# KiCad board hw-openmower-yardforce.kicad_pcb (continued)
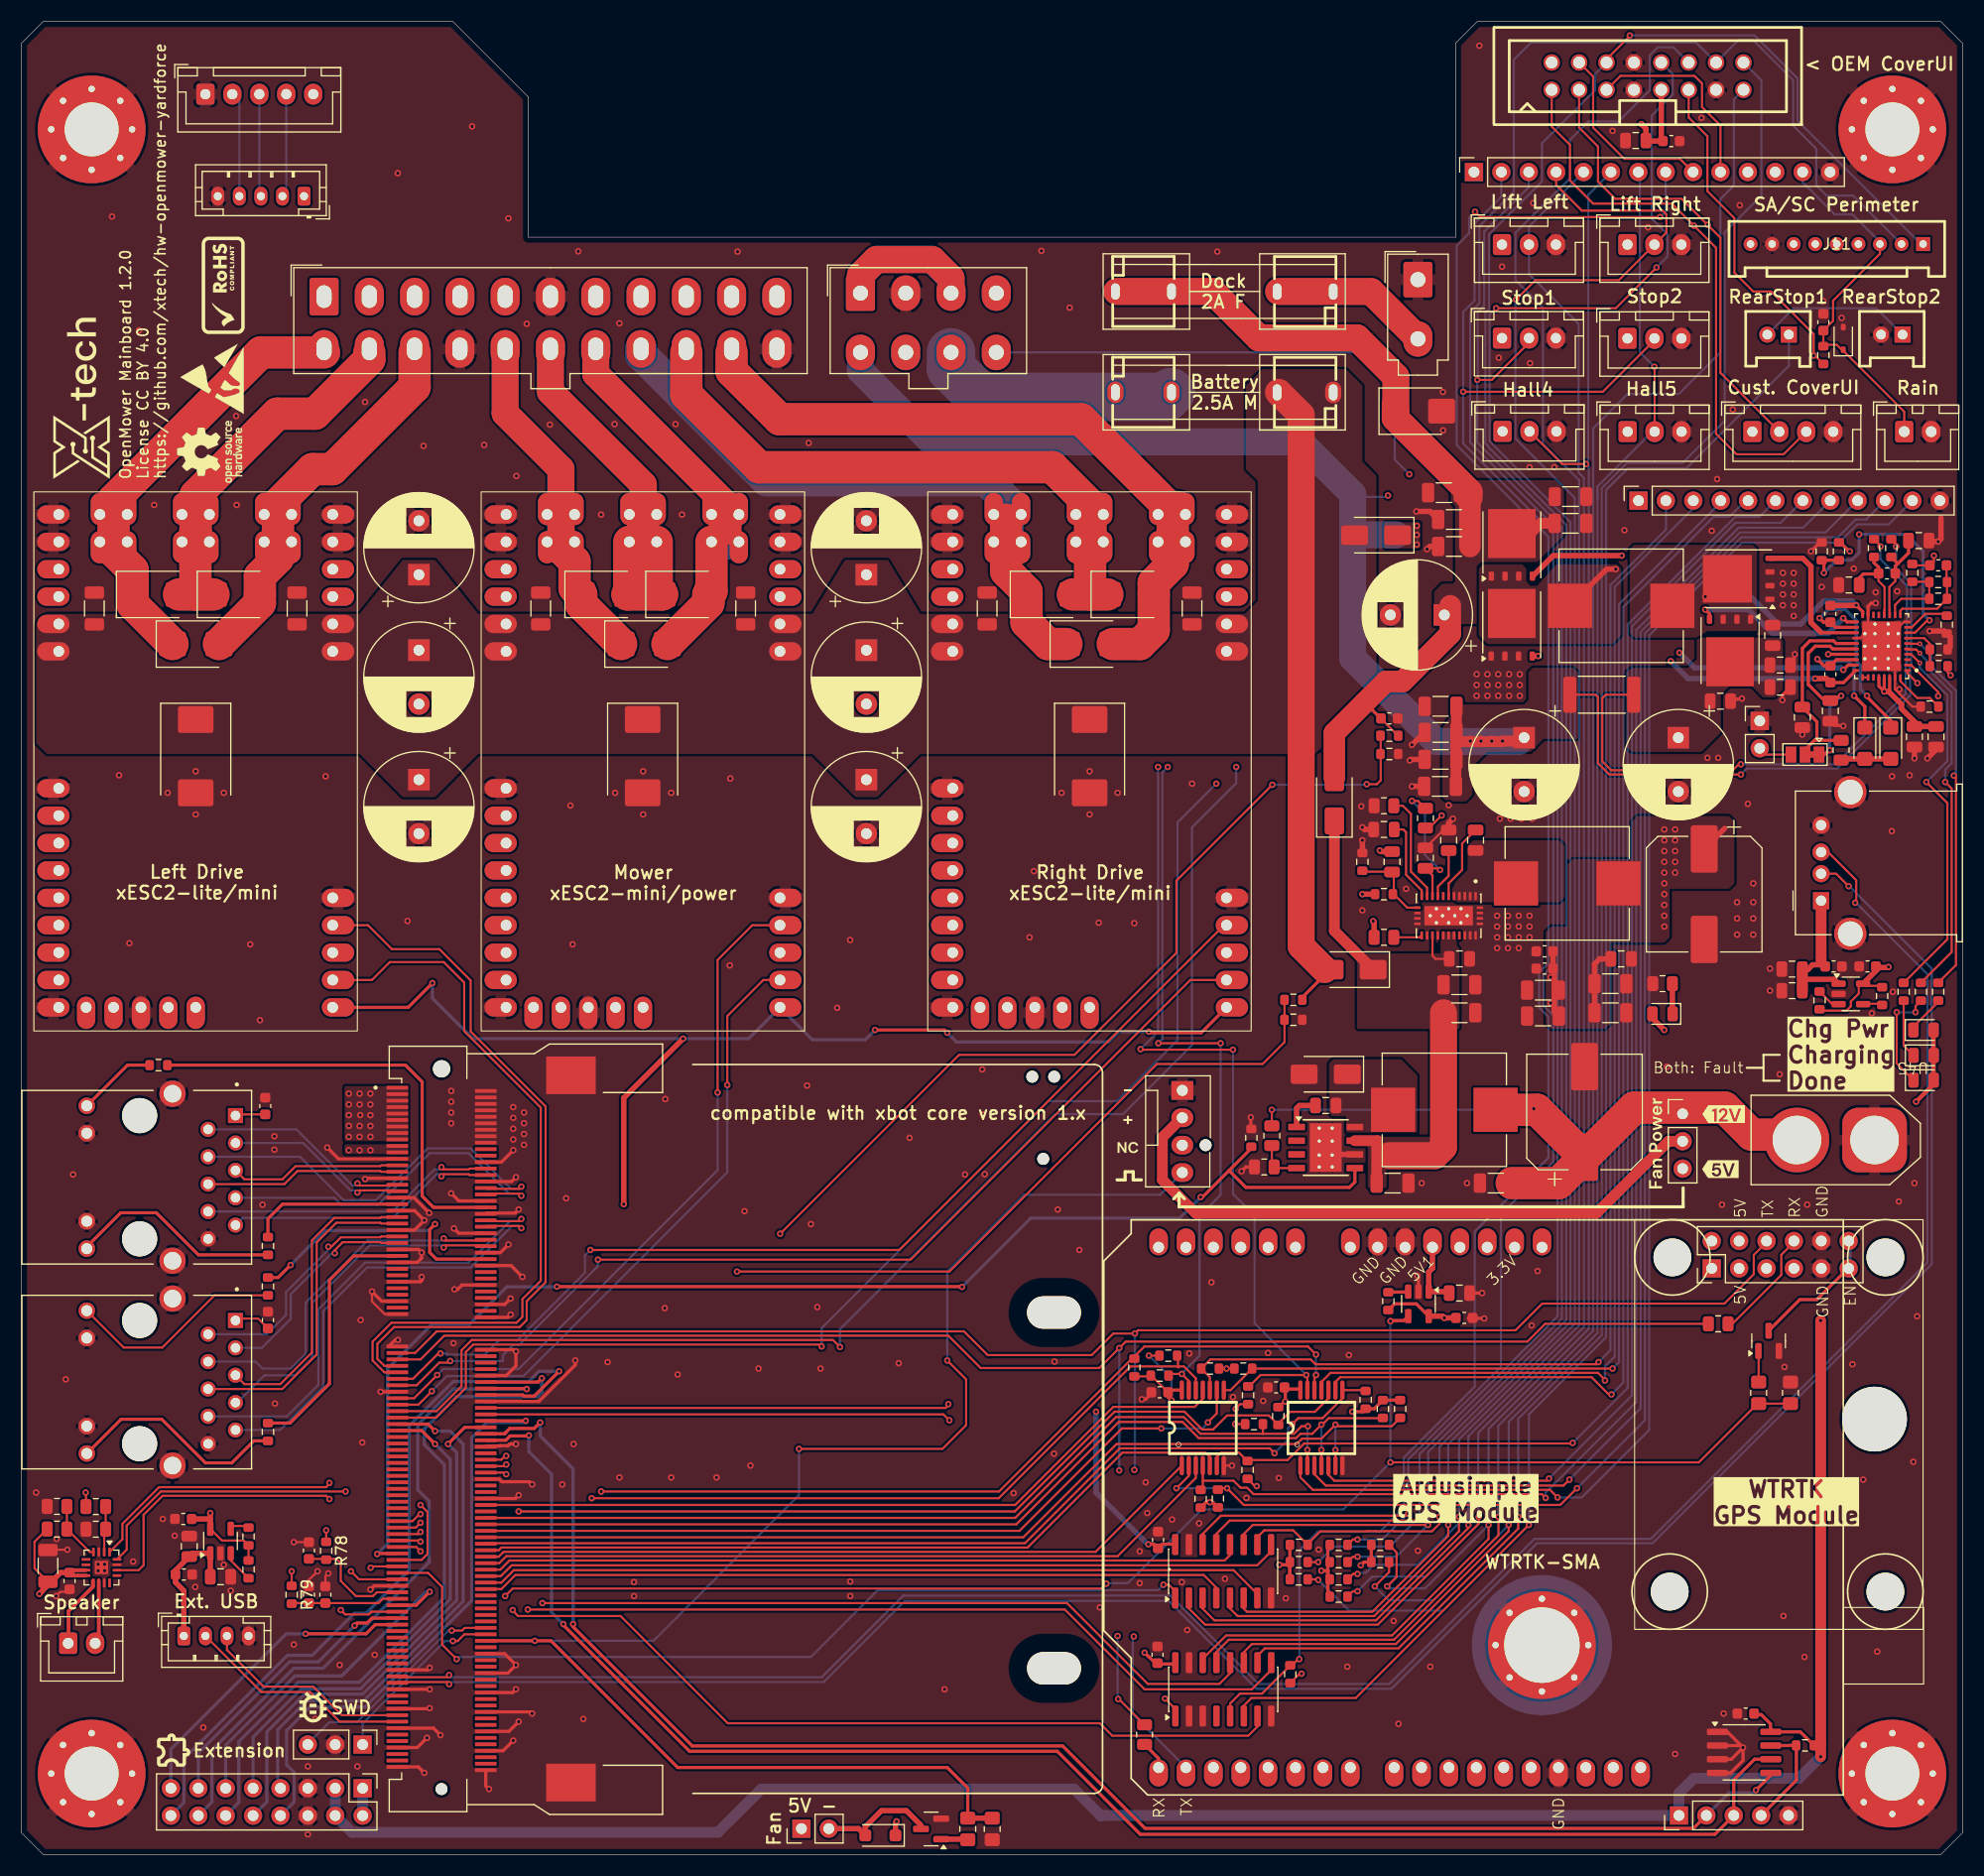
[diagram p0: board, top side]
## Routing (per net, layer and track width the routed paths; a pad name or vN(x,y) marks a point on that pad's centre or on a via; arc(x,y) is an arc through that point) (continued)
/Connectors/ETH1.PAIR_C_N: length 27.9
  Top w0.2: J26.41 33.35,59.12 33.27,59.04 29.01,59.04 26.93,56.96 26.93,46.56 23.99,43.62 20.67,43.62 J23.5
/Connectors/ETH1.PAIR_C_P: length 30.1
  Top w0.2: 17.3,43.17 24.17,43.17 27.38,46.37 27.38,56.77 29.19,58.59 33.27,58.59 33.35,58.51 J26.43
/Connectors/ETH1.PAIR_D_N: length 44
  Top w0.2: v1(46.35,58.94) 46.15,58.74 43.12,58.74
  Bottom w0.2: v1(46.35,58.94) 46.15,58.74 45.31,58.74 41.46,54.89 31.86,54.89 27.52,50.56 27.52,43.56 24.6,40.63 J23.8
/Connectors/ETH1.PAIR_D_P: length 41.8
  Top w0.2: v1(46.35,58.09) 46.15,58.29 43.12,58.29
  Bottom w0.2: J23.9 23.97,39.37 27.98,43.37 27.98,50.37 32.04,54.44 41.64,54.44 45.49,58.29 46.15,58.29 v1(46.35,58.09)
/Connectors/ETH2.LED_G: length 41.2
  Top w0.3: J26.38 38.2,60.01 37.15,61.06 37.15,71.66 35.61,73.21 R13.1
/Connectors/ETH2.LED_Y: length 14.3
  Top w0.3: J26.37 24.2,60.31 22.85,58.97 R14.1
/Connectors/ETH2.PAIR_A_N: length 19.8
  Top w0.2: v1(31.15,62.24) 31.35,62.04 34.78,62.04
  Bottom w0.2: v1(31.15,62.24) 30.95,62.04 30.69,62.04 25.48,67.25 J24.2
/Connectors/ETH2.PAIR_A_P: length 16.9
  Top w0.2: v1(31.15,61.39) 31.35,61.59 34.78,61.59
  Bottom w0.2: v1(31.15,61.39) 30.95,61.59 30.51,61.59 26.11,65.99 19.84,65.99
/Connectors/ETH2.PAIR_B_N: length 37.6
  Top w0.2: v1(46.35,61.94) 46.15,61.74 43.12,61.74
  Bottom w0.2: 17.3,64.71 25.82,64.71 29.84,60.69 32.86,60.69 37.66,65.49 41.64,65.49 45.39,61.74 46.15,61.74 v1(46.35,61.94)
/Connectors/ETH2.PAIR_B_P: length 33.7
  Top w0.2: 43.12,61.29 46.15,61.29 v1(46.35,61.09)
  Bottom w0.2: J24.7 28.99,60.91 29.66,60.24 33.04,60.24 37.84,65.04 41.46,65.04 45.21,61.29 46.15,61.29 v1(46.35,61.09)
/Connectors/ETH2.PAIR_C_N: length 15.9
  Top w0.2: J24.5 20.67,62.62 24.19,62.62 25.41,63.84 33.27,63.84 33.35,63.91 J26.25
/Connectors/ETH2.PAIR_C_P: length 18.1
  Top w0.2: J26.27 33.35,63.31 33.27,63.39 25.59,63.39 24.37,62.17 J24.6
/Connectors/ETH2.PAIR_D_N: length 27.6
  Top w0.2: v1(38.94,63.74) 39.14,63.54 41.47,63.54 41.55,63.61 J26.26
  Bottom w0.2: v1(38.94,63.74) 38.74,63.54 38.31,63.54 34.4,59.63 J24.8
/Connectors/ETH2.PAIR_D_P: length 25.4
  Top w0.2: J26.28 41.55,63.02 41.47,63.09 39.14,63.09 v1(38.94,62.89)
  Bottom w0.2: v1(38.94,62.89) 38.74,63.09 38.49,63.09 34.44,59.04 20.51,59.04 J24.9
/Connectors/USBH1.N: length 206.6
  Top w0.2: 34.92,15.99 39.45,15.99 v1(39.65,15.79) ; 169.4,89.77 v1(169.44,89.81) 168.28,90.97 J28.2
  Bottom w0.2: v1(169.44,89.81) 169.51,89.81 177.15,82.16 177.15,54.75 151.27,28.87 140.54,28.87 127.04,15.37 114.53,15.37 106.38,23.51 81.92,23.51 74.39,15.99 39.85,15.99 v1(39.65,15.79)
/Connectors/USBH1.P: length 207.4
  Top w0.2: v1(170.05,88.27) 170.15,88.36 170.15,90.36 167.55,92.97 J28.3 ; v1(39.65,16.64) 39.45,16.44 34.92,16.44
  Bottom w0.2: v1(170.05,88.27) 170.15,88.27 170.35,88.06 170.35,88.05 176.75,81.65 176.75,54.91 151.1,29.26 140.3,29.26 126.85,15.81 114.72,15.81 106.52,24.01 81.78,24.01 74.21,16.44 39.85,16.44 v1(39.65,16.64)
/Core/I2C4_ID.SCL: length 147.9
  Top w0.3: 162.22,8.83 160.72,8.83 158.79,6.9 J25.3 157.04,1.87 103.75,1.87 96.05,9.56 61.95,9.56 50.25,21.26 v1(50.25,21.37) ; J26.102 44.91,38.41 45.31,38.81 47,38.81 v1(47.05,38.87)
  Bottom w0.3: v1(50.25,21.37) 49.15,22.47 49.15,35.26 47.05,37.36 v1(47.05,38.87)
/Core/I2C4_ID.SDA: length 146.8
  Top w0.3: v1(160.85,5.97) 162.22,7.34 U7.5 ; v1(51.15,21.37) 51.15,21.12 62.2,10.06 96.56,10.06 104.21,2.41 155.05,2.41 J25.2 ; v1(48.1,40.06) 47.55,39.51 45.28,39.51 44.9,39.13 44.9,39.12 44.8,39.01 J26.100
  Bottom w0.3: v1(51.15,21.37) 51.15,35.76 48.1,38.81 v1(48.1,40.06) ; v1(160.85,5.97) 160.6,5.72 158.35,5.72 J25.2
/Core/~{WC}: length 10.2
  Top w0.3: J25.4 164.6,6.88 164.6,10.09 ; 164.57,10.12 163.92,10.12 163.91,10.1 U7.7
/DCDC/BIAS: length 13.3
  Top w0.2: U5.9 130.85,90.81 C51.2 131.4,91.47 v1(131.55,91.31) ; v1(128.95,97.72) 129.51,97.72 R26.2
  Bottom w0.2: v1(128.95,97.72) 130.15,96.52 130.15,92.72 v1(131.55,91.31)
/GPIO0: length 163.2
  Top w0.2: v1(30.55,26.26) 31.3,25.51 J26.145
  Top w0.3: U8.11 35.85,78.56 v1(38.1,80.81) ; U10.11 109.4,76.22 104.65,76.22 v1(104.55,76.31) ; v1(85.85,76.22) 85.6,76.47 v1(79.15,76.47)
  Top w0.5: v1(61.35,75.66) 55.85,70.16 v1(55.85,60.31)
  In2.Cu-PWR-SIG w0.5: v1(55.85,60.31) 55.85,53.56 52.35,50.06 52.35,41.16 45.1,33.91 36.55,33.91 30.55,27.91 v1(30.55,26.26)
  Bottom w0.3: v1(104.55,76.31) 101.75,76.31 100.8,75.36 86.7,75.36 v1(85.85,76.22) ; v1(79.15,76.47) 78.25,75.57 73.33,75.57 U9.11 67.44,75.66 v1(61.35,75.66) 41.85,75.66 38.1,79.41 v1(38.1,80.81)
/GPIO1: length 84.6
  Top w0.2: v1(48.3,23.31) 96.95,23.31 104.45,15.81 111.08,15.81 112.09,16.82 112.09,17.79 ; v1(37,29.91) 36.8,29.72 J26.131
  In2.Cu-PWR-SIG w0.2: v1(37,29.91) 41.2,29.91 47.8,23.31 v1(48.3,23.31)
/GPIO2: length 157.5
  Top w0.2: 161,41.81 155.55,36.37 v1(126.95,36.37) ; J26.141 32.5,26.72 v1(32.38,26.59) ; R25.1 R24.2 ; v1(44.85,23.97) 45.55,24.66 100.15,24.66 v1(100.6,25.12)
  Top w0.3: U6.4 128.19,49.51 127,49.51 v1(126.95,49.47)
  In2.Cu-PWR-SIG w0.2: v1(32.38,26.59) 40.52,26.59 43.15,23.97 v1(44.85,23.97)
  Bottom w0.2: v1(100.6,25.12) 100.65,25.16 102.6,25.16 109.45,32.01 122.6,32.01 v1(126.95,36.37) v1(126.95,49.47)
/GPIO3: length 98.7
  Top w0.2: v1(46.1,31.81) 92.12,31.81 101.37,41.06 107.85,41.06 109.5,39.41 110.5,39.41 111.8,40.72 115.67,40.72 R49.2 ; 121.2,42.31 119.95,41.06 117.64,41.06 116.55,39.97 ; J26.139 37.1,27.31 37.65,27.87 37.65,31.76 v1(37,32.41)
  In2.Cu-PWR-SIG w0.2: v1(37,32.41) 45.55,32.41 46.1,31.87 v1(46.1,31.81)
/GPIO4: length 121.9
  Top w0.3: v1(49.65,52.66) 87.2,52.66 v1(87.22,52.64) ; v1(109.35,60.97) 109.51,60.97 114.05,65.51 ; 111.98,63.44 113.55,61.86 123.15,61.86 123.65,62.36 U4.5 ; J26.137 33.02,27.91 v1(32.98,27.87)
  Bottom w0.3: v1(32.98,27.87) 33.95,28.84 33.95,45.06 38.05,49.16 41.53,49.16 45,52.64 49.63,52.64 v1(49.65,52.66) ; v1(87.22,52.64) 93.6,59.01 107.4,59.01 v1(109.35,60.97)
/GPIO5: length 88
  Top w0.2: J26.133 36.9,29.12 v1(37,29.01) ; v1(46.95,22.72) 96.75,22.72 104.15,15.31 114.1,15.31 115.9,17.12
  In2.Cu-PWR-SIG w0.2: v1(37,29.01) 41.45,29.01 46.9,23.56 46.9,22.76 v1(46.95,22.72)
/GPIO6: length 89.2
  Top w0.2: v1(37,28.12) 36.6,28.51 J26.135 ; v1(45.55,22.66) 45.55,22.62 46.05,22.12 55.55,22.12 65.5,12.16 100,12.16 101.15,11.01 113.77,11.01 114.62,11.86 114.62,12.84
  In2.Cu-PWR-SIG w0.2: v1(37,28.12) 41.55,28.12 45.55,24.11 v1(45.55,22.66)
/GPIO7: length 93.8
  Top w0.2: 106.99,24.43 106.4,25.01 v1(105.9,25.01) ; v1(106.04,14.46) 107,13.5 ; J26.143 37.7,26.12 39,24.81 39,19.47 v1(40.35,18.12)
  In2.Cu-PWR-SIG w0.2: v1(106.04,14.46) 105.8,14.7 105.8,24.91 v1(105.9,25.01)
  Bottom w0.2: v1(105.9,25.01) 105.4,24.51 79.5,24.51 79.45,24.56 73.2,18.31 40.55,18.31 v1(40.35,18.12)
/GPIO8: length 95.9
  Top w0.2: 102.97,45.99 90.65,33.66 v1(53.75,33.66) ; U12.12 119.9,44.31 v1(120.05,44.47) ; v1(37,30.76) 36.55,30.31 J26.129 ; 103.2,46.18 104.13,47.12 119.3,47.12 v1(120.05,46.37)
  In2.Cu-PWR-SIG w0.2: v1(37,30.76) 51.5,30.76 53.75,33.01 v1(53.75,33.66)
  Bottom w0.2: v1(120.05,46.37) v1(120.05,44.47)
/GPIO9: length 82.9
  Top w0.2: 107.3,45.16 107.25,45.22 107.25,46.19 ; v1(52.88,33.04) 90.62,33.04 102.85,45.26 107.8,45.26 108.9,44.17 U11.12 ; J26.127 36.25,30.91 36.9,31.57 v1(37,31.57)
  In2.Cu-PWR-SIG w0.2: v1(37,31.57) 45.5,31.57 45.85,31.22 51.05,31.22 v1(52.88,33.04)
/GPIO10: length 69.7
  Top w0.2: J26.148 44.5,24.62 45.8,25.91 109.64,25.91 110.79,24.76 110.79,23.78
/GPIO11: length 72.9
  Top w0.2: J26.146 44.5,25.22 45.65,26.37 112.4,26.37 114.6,24.16
/GPIO12: length 73.8
  Top w0.2: J26.144 44.45,25.81 45.45,26.81 114.6,26.81 115.88,28.1
/GPIO13: length 70.6
  Top w0.2: 112.07,28.75 112.07,27.77 111.57,27.26 45.25,27.26 44.4,26.41 J26.142
/GPIO14: length 70.3
  Top w0.2: J26.140 44.3,27.01 44.95,27.66 101.65,27.66 108.9,34.91 U11.3
/GPIO15: length 68.1
  Top w0.2: U11.1 99.6,28.06 44.7,28.06 44.25,27.62 J26.138
/GPIO16: length 71.9
  Top w0.2: U11.5 110.2,36.87 109.8,37.26 102.1,37.26 93.3,28.47 44.5,28.47 44.25,28.22 J26.136
/GPIO17: length 88
  Top w0.2: 43.1,28.87 93.05,28.87 101.85,37.66 115.75,37.66 v1(116.2,37.22) ; v1(117.85,39.91) 118.4,40.47 120.66,40.47 122.5,42.31 ; U12.8 124.57,43.06
  Bottom w0.2: v1(117.85,39.91) 117.45,39.51 117.45,38.47 v1(116.2,37.22)
/GPIO18: length 93.3
  Top w0.2: U12.6 v1(121.85,37.51) ; R48.2 127.07,39.72 122,39.72 v1(121.85,39.87) 120.55,38.56 118.75,38.56 118.25,38.06 101.55,38.06 92.9,29.41 J26.132
  Bottom w0.2: v1(121.85,37.51) v1(121.85,39.87)
/GPIO19: length 74.5
  Top w0.2: v1(110.03,40.06) 110.03,40.09 110.85,40.91 U11.9 ; v1(105.7,39.51) 102.05,39.51 92.55,30.01 J26.130
  Bottom w0.2: v1(105.7,39.51) 109.5,39.51 110.03,40.04 v1(110.03,40.06)
/GPIO20: length 92.3
  Top w0.2: U12.4 v1(120.55,37.51) ; J26.128 92.25,30.62 101.75,40.12 107.67,40.12 109.17,38.62 118.2,38.62 118.6,39.01 119.7,39.01 v1(120.55,39.87) 120.62,39.87 121.22,40.47 126.22,40.47
  Bottom w0.2: v1(120.55,39.87) v1(120.55,37.51)
/GPIO21: length 71.4
  Top w0.2: J26.122 92.15,32.41 101.25,41.51 108.8,41.51 109.55,42.26 U11.11
/GPIO23: length 85.6
  Top w0.2: 115.1,39.01 118,39.01 118.7,39.72 v1(119.3,39.72) ; 115.1,39.01 115.12,39.04 115.12,39.91 ; 115.1,39.01 109.33,39.01 107.78,40.56 101.5,40.56 92.15,31.22 J26.126 ; U12.2 v1(119.25,37.51)
  Bottom w0.2: v1(119.3,39.72) 119.3,39.51 119.25,39.47 v1(119.25,37.51)
/I2C1.SCL: length 205.7
  Top w0.2: J26.94 85.5,40.81 v1(86.05,40.26) ; v1(175.82,108.64) 174.9,109.56 U27.1
  In2.Cu-PWR-SIG w0.2: v1(175.82,108.64) 175.82,107.94 177.35,106.41 177.35,54.06 170.55,47.26 143.85,47.26 135.35,38.76 92.05,38.76 87.45,43.37 84.55,43.37 84.05,42.87 84.05,41.37 85.15,40.26 v1(86.05,40.26)
/I2C1.SDA: length 200.7
  Top w0.2: v1(85.95,41.76) 85.95,41.66 85.7,41.41 J26.92 ; U27.2 175.25,110.31 177.75,107.81 v1(177.75,107.44)
  In2.Cu-PWR-SIG w0.2: v1(177.75,107.44) 177.75,53.76 170.85,46.87 144.15,46.87 135.6,38.31 90.1,38.31 86.65,41.76 v1(85.95,41.76)
/I2C2.SCL: length 49.9
  Top w0.3: v1(39.55,38.06) 41.1,39.62 J26.98
  Bottom w0.3: J32.10 22.75,4.88 22.75,11.37 26.25,14.87 31.64,14.87 40.35,23.57 40.35,37.26 v1(39.55,38.06)
/I2C2.SDA: length 55.3
  Top w0.3: v1(46.75,40.22) J26.96
  Bottom w0.3: J32.8 25.27,4.87 25.27,7.62 24.58,8.31 24.58,11.49 26.75,13.66 31.86,13.66 41.75,23.56 41.75,38.66 43.15,40.06 46.6,40.06 v1(46.75,40.22)
/I2S.CK: length 42.6
  Top w0.2: v1(44.95,35.26) 44.85,35.26 44.7,35.41 J26.112 ; v1(30.05,33.66) 12.92,33.66 9.75,30.5 9.75,28.26 U3.16
  In2.Cu-PWR-SIG w0.2: v1(44.95,35.26) 31.65,35.26 v1(30.05,33.66)
/I2S.SDO: length 43.4
  Top w0.2: J26.108 44.5,36.62 44.85,36.97 v1(44.95,36.97) ; U3.1 9.35,29.24 9.35,30.66 12.75,34.06 28.25,34.06 28.55,34.37 v1(28.55,34.47)
  In2.Cu-PWR-SIG w0.2: v1(28.55,34.47) 31.05,36.97 v1(44.95,36.97)
/I2S.WS: length 45.2
  Top w0.2: v1(28.55,32.97) 28.25,33.26 13.08,33.26 11.32,31.5 11.32,26.83 10.85,26.37 U3.14 ; v1(44.95,36.16) 44.8,36.01 J26.110
  In2.Cu-PWR-SIG w0.2: v1(28.55,32.97) 28.55,33.06 31.65,36.16 v1(44.95,36.16)
/RASPI_FAN_ON: length 146.8
  Top w0.2: v1(72.1,37.62) 85.4,37.62 87.6,39.81 87.6,44.06 v1(85.85,45.81)
  Top w0.3: J26.164 49.1,19.81 60.85,8.06 85.85,8.06 87.75,6.16 R53.1
  Top w0.5: R53.1 R52.2
  Bottom w0.2: v1(85.85,45.81) 85.85,54.06 92.97,61.19 105.59,61.19 J33.4 ; v1(47.6,19.81) 58.6,19.81 72.1,33.31 v1(72.1,37.62)
/RobotConnectors/BTN_HOME_OEM: length 165.9
  Top w0.2: v1(111.2,75.24) v1(105.43,75.24) ; U11.13 108.25,43.92 v1(107.6,44.56) 106.53,44.56 ; J6.10 157.56,160.35 155.85,162.06 155.85,164.26 155.15,164.97 148.29,164.97 J5.5
  In2.Cu-PWR-SIG w0.2: v1(106.3,100.86) 106.3,101.2 121.6,116.5 121.6,127.65 134.15,140.2 134.15,149.41 138.5,153.76 138.5,156.66 141.75,159.91 143.24,159.91 J5.5
  Bottom w0.2: v1(105.43,75.24) 105.8,75.61 105.8,100.36 v1(106.3,100.86) ; v1(111.2,75.24) 111.2,61.16 109.25,59.22 109.25,46.26 107.6,44.62 v1(107.6,44.56)
/RobotConnectors/BTN_PLAY_OEM: length 175.9
  Top w0.2: J6.9 153.8,157.26 148.65,157.26 145.75,160.16 145.75,164.91 J5.4 ; 113.95,43.51 114.9,44.47 v1(119.15,44.47) 119.15,44.31 119.25,44.22 U12.13 ; v1(103.77,74.69) 103.82,74.64 v1(112.35,74.64)
  In2.Cu-PWR-SIG w0.2: J5.4 143.11,164.87 140.8,164.87 136.09,160.16 136.09,152 133.75,149.66 133.75,140.37 121.2,127.81 121.2,116.66 v1(105.4,100.86)
  Bottom w0.2: v1(112.35,74.64) 112.35,61.27 114.35,59.26 114.35,49.26 v1(119.15,44.47) ; v1(103.77,74.69) 105.4,76.32 v1(105.4,100.86)
/RobotConnectors/HALL0_5V: length 183.1
  Top w0.2: v1(128.6,31.62) 128.55,31.66 128.55,31.56 128.4,31.41 111.22,31.41 109.53,29.72 109.53,28.75 ; R40.2 123.47,29.22 v1(123.9,29.22) ; 151.43,140.45 146.65,135.66 v1(133.7,135.66)
  Bottom w0.2: J6.2 137.24,153.75 134.75,151.26 134.75,144.12 133.7,143.06 v1(133.7,135.66) 133.7,130.87 142.05,122.52 142.05,82.52 141.15,81.61 141.15,78.72 142.05,77.81 142.05,64.22 137.2,59.37 137.2,45.23 128.6,36.63 v1(128.6,31.62) 126.2,29.22 v1(123.9,29.22)
/RobotConnectors/HALL1_5V: length 169.4
  Top w0.2: 130.45,30.56 114.19,30.56 113.34,29.72 113.34,28.75 ; v1(135,136.76) 136.35,136.76 139.8,140.22 ; R39.2 123.47,27.62 v1(123.9,27.62)
  Bottom w0.2: v1(123.9,27.62) 127.49,27.62 v1(130.44,30.56) 130.45,30.57 130.45,37.33 142.85,49.73 142.85,123.11 135,130.97 v1(135,136.76) 135.05,136.81 135.05,143.06 135.65,143.66 135.65,150.51 139.78,154.64 J6.3
/RobotConnectors/HALL2_5V: length 190.5
  Top w0.2: J6.4 142.32,154.84 144.7,152.47 152.2,152.47 152.55,152.11 152.55,150.43 J13.2 148.13,146.01 140.4,146.01 v1(138.6,144.22) ; 112.07,23.78 112.07,22.81 112.78,22.11 125.44,22.11 133.31,29.98 v1(133.31,31.31) ; R38.2 123.47,26.01 v1(123.9,26.01)
  Bottom w0.2: v1(133.31,31.31) 133.31,30.72 129.46,26.87 125.4,26.87 124.65,26.12 124,26.12 v1(123.9,26.01) ; v1(138.6,144.22) 138.55,144.16 138.55,131.31 144.05,125.81 144.05,49.23 133.31,38.49 133.31,31.43
/RobotConnectors/HALL3_5V: length 181.6
  Top w0.2: v1(135.14,31.31) 135.14,30.68 125.77,21.31 109.77,21.31 108.26,22.81 108.26,23.78 ; R51.2 123.47,24.41 v1(123.9,24.41)
  Bottom w0.2: v1(123.9,24.41) 125.25,25.76 130.23,25.76 135.14,30.68 v1(135.14,31.31) 135.1,31.35 135.1,39.12 144.9,48.91 144.9,127.66 144.4,128.16 144.4,141.97 139.8,146.56 J12.2 139.8,150.99 J6.5
/RobotConnectors/HALL4_5V: length 185.7
  Top w0.2: v1(126.65,24.87) 127.53,25.74 127.53,28.01 R43.2 ; v1(136.05,30.56) 136.05,29.26 127.1,20.31 111.71,20.31 109.54,18.14 ; J9.2 142.88,128.97 v1(145.1,128.97)
  Bottom w0.2: J6.6 145.3,153.94 145.3,129.16 v1(145.1,128.97) 145.35,128.72 145.35,48.76 136.05,39.47 v1(136.05,30.56) 130.15,24.66 126.85,24.66 v1(126.65,24.87)
/RobotConnectors/HALL5_5V: length 181.9
  Top w0.2: v1(125.5,24.87) 126.82,26.19 R42.2 ; 113.36,17.79 113.36,18.77 114.11,19.51 127.45,19.51 137.92,29.98 v1(137.92,30.56) ; J8.2 151.45,137.97 v1(151.42,137.99)
  Bottom w0.2: 146.15,126.77 146.15,125.72 ; 146.15,125.72 146.15,48.37 137.92,40.13 v1(137.92,30.56) 130.92,23.56 126.8,23.56 v1(125.5,24.87) ; 146.15,125.72 146.15,126.89 151.23,131.97 ; v1(151.42,137.99) 150.08,139.33 150.08,155.9
/RobotConnectors/HALL6_5V: length 183
  Top w0.2: 117.82,17.54 118.4,18.12 v1(118.5,18.12) ; v1(151.95,151.87) 135.3,151.87 v1(134.8,152.37) ; 112.09,12.84 112.09,14 113,14.91 115.04,14.91 117.66,17.54
  Bottom w0.2: v1(134.8,152.37) 134.25,151.81 134.25,150.37 133.1,149.22 133.1,130.72 141.6,122.22 141.6,82.66 140.75,81.81 140.75,78.55 141.6,77.7 141.6,64.61 134.77,57.78 134.77,43.38 128.2,36.81 128.2,32.16 125.95,29.91 120.2,29.91 118.5,28.22 v1(118.5,18.12) ; v1(151.95,151.87) 151.96,151.87 152.48,152.38 J6.8
/RobotConnectors/LLIFT2_LIFT_OEM: length 178.2
  Top w0.2: v1(138.8,31.31) 138.8,30.22 127.7,19.12 115.3,19.12 114.62,18.44
  Bottom w0.2: v1(138.8,31.31) 138.8,40.41 146.55,48.16 146.55,126.72 148.89,129.06 154.05,129.06 157.85,132.87 157.95,132.87 157.95,150.47 161.35,153.87 161.35,164.54 J5.16
/RobotConnectors/LLIFT_LBUMP_OEM: length 184.2
  Top w0.2: 109.53,23.78 109.53,22.81 110.63,21.71 125.61,21.71 134.18,30.28 v1(134.18,30.56)
  Bottom w0.2: J5.12 153.2,167.62 151.75,167.62 151.01,166.87 151.01,163.64 148.11,160.74 145.32,160.74 143.6,159.01 143.6,155.47 138.55,150.41 138.55,146.01 141.1,143.47 141.1,130.81 144.45,127.47 144.45,49.07 134.18,38.79 v1(134.18,30.56)
/RobotConnectors/MC_HALL_SENSOR.U: length 94
  In2.Cu-PWR-SIG w0.3: U9.4 41.35,91.26 39.35,93.27 39.35,133.56 38.35,134.56 38.35,149.06 36.85,150.56 20.85,150.56 20.2,151.22 J10.4
  Bottom w0.2: J21.2 20.2,162.62 J10.4
/RobotConnectors/MC_HALL_SENSOR.V: length 89
  In2.Cu-PWR-SIG w0.3: J10.3 22.2,152.22 23.35,151.06 37.85,151.06 38.85,150.06 38.85,135.56 40.35,134.06 40.35,95.36 41.91,93.8 U9.5
  Bottom w0.2: J21.3 22.05,153.95
/RobotConnectors/MC_HALL_SENSOR.W: length 87.4
  In2.Cu-PWR-SIG w0.3: U9.6 42.07,96.34 41.35,97.06 41.35,132.56 42.85,134.06 42.85,149.56 40.85,151.56 24.85,151.56 24.2,152.22 J10.2
  Bottom w0.2: J21.4 24.55,154.16
/RobotConnectors/MC_PHASE.U: length 63.6
  Top w0.5: U9.U U9.U U9.U U9.U
  Top w2.5: 53.25,139.31 53.25,137.31 65.34,125.22 65.34,122.83
  Top w3: U9.U 63.99,117.15 D12.2 63.7,116.06 D14.2
  Bottom w2.5: J1.18 53.25,137.31 65.25,125.31 65.25,121.36 65.3,121.31
/RobotConnectors/MC_PHASE.V: length 59.4
  Top w1: 58.65,124.03 58.65,122 ; 56.65,124 56.65,122.03
  Top w2.5: 57.67,123.2 57.67,127.04 49.05,135.66 49.05,139.31
  Top w3: U9.V 56.37,117.03 D13.2 D12.1 58.91,117.36 U9.V
  Bottom w2.5: 49,139.59 49,135.72 57.6,127.11 57.6,121.36 57.65,121.31 57.65,121.92 57.65,121.92
/RobotConnectors/MC_PHASE.W: length 50.5
  Top w2.5: 44.85,139.31 44.85,133.66 50.03,128.49 50.03,122.86 50.05,122.83
  Top w3: 49.95,121.25 51.29,119.91 51.29,117.48 D13.1 51.9,115.97 D14.1
  Bottom w2.5: 50,121.27 50,128.51 44.85,133.66 J1.16
/RobotConnectors/MC_T2: length 65.7
  In2.Cu-PWR-SIG w0.3: 53.25,144.81 51.1,142.66 51.1,136.56 41.85,127.31 41.85,107.06 47.85,101.06 47.85,89.56 47.01,88.72 U9.3
/RobotConnectors/ML_HALL_SENSOR.U: length 76.2
  In2.Cu-PWR-SIG w0.2: 4.05,91.26 5.85,93.06 5.85,141.06 11.85,147.06 25.8,147.06 28.05,144.81
/RobotConnectors/ML_HALL_SENSOR.V: length 80.7
  In2.Cu-PWR-SIG w0.2: 32.25,145.12 28.8,148.56 10.85,148.56 5.45,143.16 5.45,95.8 U8.5
/RobotConnectors/ML_HALL_SENSOR.W: length 85.4
  In2.Cu-PWR-SIG w0.2: U8.6 4.53,96.34 5.05,96.86 5.05,145.47 9.15,149.56 32,149.56 36.45,145.12
/RobotConnectors/ML_PHASE.U: length 35.6
  Top w3: D10.2 22.1,116.06 D8.2 22.1,118.56 23.78,120.25 23.78,125.28 26.99,128.49 28.82,128.49 36.45,136.12 36.45,139.31
/RobotConnectors/ML_PHASE.V: length 34.4
  Top w3: D9.2 16.12,116.86 ; 16.12,116.86 D8.1 ; 16.12,116.86 16.12,122.69 16.14,122.7 16.14,126.06 23.72,133.63 27.22,133.63 32.25,138.66 32.25,139.31
/RobotConnectors/ML_PHASE.W: length 40.8
  Top w3: 28.05,139.31 22.2,139.31 8.53,125.64 8.53,120.88 10.3,119.11 D9.1 10.3,115.97 D10.1
/RobotConnectors/MR_HALL_SENSOR.U: length 75
  In2.Cu-PWR-SIG w0.2: U10.4 82.65,91.26 80.85,93.06 80.85,128.06 76.35,132.56 63.85,132.56 59.35,137.06 59.35,142.91 57.45,144.81
/RobotConnectors/MR_HALL_SENSOR.V: length 68.2
  In2.Cu-PWR-SIG w0.2: 61.65,144.26 63.85,142.06 63.85,136.56 66.35,134.06 76.35,134.06 81.85,128.56 81.85,95.56 83.61,93.8 U10.5
/RobotConnectors/MR_HALL_SENSOR.W: length 63
  In2.Cu-PWR-SIG w0.2: U10.6 84.07,96.34 82.85,97.56 82.85,129.06 76.35,135.56 68.35,135.56 67.85,136.06 67.85,142.81 65.85,144.81
/RobotConnectors/MR_PHASE.U: length 64.4
  Top w3: 65.85,139.31 65.85,137.56 70.3,133.12 98.25,133.12 106.4,124.97 107.2,124.97 ; D20.2 103.72,112.27 105,113.55 D18.2 105,117.94 106.76,119.7 106.76,124.61
/RobotConnectors/MR_PHASE.V: length 59
  Top w3: 99.1,122.33 99.13,122.36 99.13,125.13 95.6,128.66 68.4,128.66 61.65,135.41 61.65,139.31 ; D19.2 99.1,116.86 ; 99.1,116.86 D18.1 ; 99.1,116.86 99.1,124.14 99.13,124.17
/RobotConnectors/MR_PHASE.W: length 59.1
  Top w3: D20.1 95.2,112.27 93.2,114.27 D19.1 93.2,117.13 91.31,119.02 91.31,123.8
  Bottom w3: J1.19 57.45,139.13 69.11,127.47 89.47,127.47 91.44,125.5 91.44,121.38
/RobotConnectors/RAIN: length 33.7
  Top w0.2: 168.8,139.56 168.34,140.02 167.23,140.02 ; J11.3 172.35,148.47 168,144.12 168,142.24 C15.1 R47.2 ; 168.95,139.47 174.6,133.81 J17.1
  Bottom w0.2: J6.13 165.18,155.09 168.16,152.12 169.8,152.12 172.35,149.56
/RobotConnectors/REAR_STOP_OEM: length 182.7
  Top w0.2: v1(120.25,25.47) 120.2,25.51 R63.2 ; 139.9,30.68 123.74,14.51 114.07,14.51 113.36,13.81 113.36,12.84
  Bottom w0.2: v1(120.25,25.47) 123.1,22.62 131.84,22.62 v1(139.79,30.56) 139.8,30.57 139.8,40.81 146.95,47.97 146.95,126.56 148.96,128.56 154.4,128.56 163.9,138.06 163.9,140.56
/RobotConnectors/RLIFT2_RBUMP_OEM: length 177.9
  Top w0.2: 110.81,17.79 110.81,18.77 111.96,19.91 127.28,19.91 136.97,29.6 v1(136.97,31.31)
  Bottom w0.2: J5.15 158.8,162.78 158.8,154.78 157.55,153.53 157.55,139.31 153.7,135.47 148.95,135.47 145.75,132.26 145.75,48.56 136.95,39.76 136.95,31.34 v1(136.97,31.31)
/RobotConnectors/RLIFT_LIFTX_OEM: length 182.6
  Top w0.2: v1(151.62,147.19) 147.85,143.41 v1(136.75,143.41) ; v1(132.31,30.56) 132.31,29.54 125.28,22.51 113.65,22.51 113.34,22.81 113.34,23.78
  Bottom w0.2: J5.10 153.13,165.14 153.13,163.23 151.2,161.29 151.2,151.72 152.65,150.26 152.65,148.22 v1(151.62,147.19) ; v1(136.75,143.41) 136.15,142.81 136.15,131.06 143.65,123.56 143.65,49.4 132.3,38.05 132.3,30.57 v1(132.31,30.56)
/RobotConnectors/STOP1_OEM: length 207.1
  Top w0.2: 146.99,166.5 149.15,168.66 v1(149.15,168.72) ; 119.28,28.79 120.45,29.97 124.79,29.97 124.81,29.99 125.64,29.99 125.66,29.97 126.44,29.97 126.46,29.99 127.29,29.99 127.31,29.97 130.8,29.97 131.5,30.66 131.5,31.16 131.4,31.26 ; R61.2 117.92,30.06 115.25,30.06 114.6,29.42
  Bottom w0.2: 176.15,149.37 164.7,160.81 164.7,164.73 160.72,168.72 v1(149.15,168.72) ; v1(131.48,31.31) 131.5,31.34 131.5,37.81 143.25,49.56 143.25,123.31 136.1,130.47 136.1,130.55 135.75,130.9 135.75,142.98 136.1,143.33 136.1,150.26 141,155.16 141,158.71 145.93,163.64 145.93,165.14 J5.6
/RobotConnectors/STOP2_OEM: length 228.7
  Top w0.2: v1(129.65,31.31) 129.65,31.26 129.35,30.97 112.04,30.97 110.79,29.72 110.79,28.75 ; v1(120.25,27.12) R60.2
  Bottom w0.2: v1(120.25,27.12) 121.7,28.56 126.9,28.56 v1(129.65,31.31) ; J11.2 169.85,153.87 167.4,153.87 166.45,154.81 166.45,158.2 164.3,160.35 164.3,164.56 160.55,168.31 159.26,168.31 J5.14 155.29,168.06 140,168.06 138.39,166.45 138.39,154.2 135.2,151.01 135.2,143.87 134.35,143.01 134.35,130.97 142.45,122.86 142.45,49.91 129.65,37.12 129.65,31.26
/RobotConnectors/USS_1_ECHO_5V: length 140.1
  Top w0.2: U12.1 118.6,34.97 119.75,33.81 141.75,33.81 v1(142.45,33.12)
  Bottom w0.2: v1(142.45,33.12) 144.7,33.12 150.95,39.37 150.95,113.06 159.55,121.66 168.55,121.66 170.25,123.36 173.16,123.36 J7.11
/RobotConnectors/USS_1_TRIGGER_5V: length 151
  Top w0.2: v1(107.1,33.97) 108.25,35.12 U11.2 ; 111.07,33.97 v1(111.8,33.97) 113.35,32.41 142.7,32.41 v1(144.25,33.97)
  Bottom w0.2: v1(144.25,33.97) 150.55,40.26 150.55,113.23 159.48,122.16 168.45,122.16 170.1,123.81 171.07,123.81 J7.10 ; v1(107.1,33.97) v1(111.8,33.97)
/RobotConnectors/USS_2_ECHO_5V: length 131.6
  Top w0.2: U12.3 119.9,35.26 120.95,34.22 143,34.22 v1(143.55,34.76)
  Bottom w0.2: v1(143.55,34.76) 150.15,41.37 150.15,113.4 159.37,122.61 167.3,122.61 170.25,125.56
/RobotConnectors/USS_2_TRIGGER_5V: length 141.5
  Top w0.2: 109.55,34.66 112.4,34.66 113.05,34.01 113.65,34.01 114.25,33.41 141,33.41 v1(141.35,33.06) ; 109.55,34.66 U11.4 ; 109.55,34.66 109.55,34.01
  Bottom w0.2: v1(141.35,33.06) 141.35,33.56 149.75,41.97 149.75,113.56 159.25,123.06 165.24,123.06 J7.8
/RobotConnectors/USS_3_ECHO_5V: length 124.5
  Top w0.2: U12.5 121.2,35.22 121.75,34.66 141.45,34.66 v1(141.65,34.87)
  Bottom w0.2: J7.7 163.15,123.52 158.97,123.52 149.35,113.9 149.35,42.56 v1(141.65,34.87)
/RobotConnectors/USS_3_TRIGGER_5V: length 131.3
  Top w0.2: 113.67,36.49 112.9,37.26 111.25,37.26 110.85,36.87 U11.6 ; v1(143.85,38.16) 143.8,38.12 118.95,38.12 117.41,36.57 113.78,36.57
  Bottom w0.2: J7.6 161.16,124.06 158.95,124.06 148.95,114.06 148.95,43.26 v1(143.85,38.16)
/RobotConnectors/USS_4_ECHO_5V: length 115.4
  Top w0.2: v1(147.45,42.66) 147.2,42.66 145.6,44.26 122.29,44.26 121.85,43.82
  Bottom w0.2: 159.88,125.56 158.38,124.06 156.92,124.06 148.55,115.69 148.55,43.76 v1(147.45,42.66)
/RobotConnectors/USS_4_TRIGGER_5V: length 121.4
  Top w0.2: v1(147.55,45.06) 114.12,45.06 112.12,43.06 U11.8
  Bottom w0.2: 157.58,125.39 148.15,115.97 148.15,45.66 v1(147.55,45.06)
/RobotConnectors/USS_5_ECHO_5V: length 111.3
  Top w0.2: 120.55,43.82 121.39,44.66 146.2,44.66 146.85,44.01 v1(146.85,43.97)
  Bottom w0.2: v1(146.85,43.97) 146.85,45.26 147.75,46.16 147.75,117.56 155.04,124.86
/RobotConnectors/USS_5_TRIGGER_5V: length 122.2
  Top w0.2: v1(146.25,45.66) 146.05,45.47 120,45.47 119.55,45.91 110.25,45.91 R37.2 ; U11.10 110.2,44.26 109.5,44.97
  Bottom w0.2: v1(146.25,45.66) 147.35,46.76 147.35,117.73 152.5,122.88 J7.2
/SPI2.MISO: length 67.3
  Top w0.3: J26.84 47.9,43.81 v1(48.25,44.16)
  Bottom w0.3: J32.12 20.15,4.82 20.15,10.47 25.65,15.97 31.33,15.97 39.2,23.84 39.2,36.16 37.35,38.01 37.35,39.47 40.35,42.47 47.85,42.47 48.25,42.87 v1(48.25,44.16)
